# Altium PCB EA08AI-V2.PcbDoc
Units mm, origin at the board's own origin, x right, y up, seen from the top; angles counter-clockwise.
Board outline 103.2 x 107 mm, 2 copper layers (Top Layer, Bottom Layer), stack 1.571 mm thick; 138 components, 101 nets, 492 pads, 296 vias.
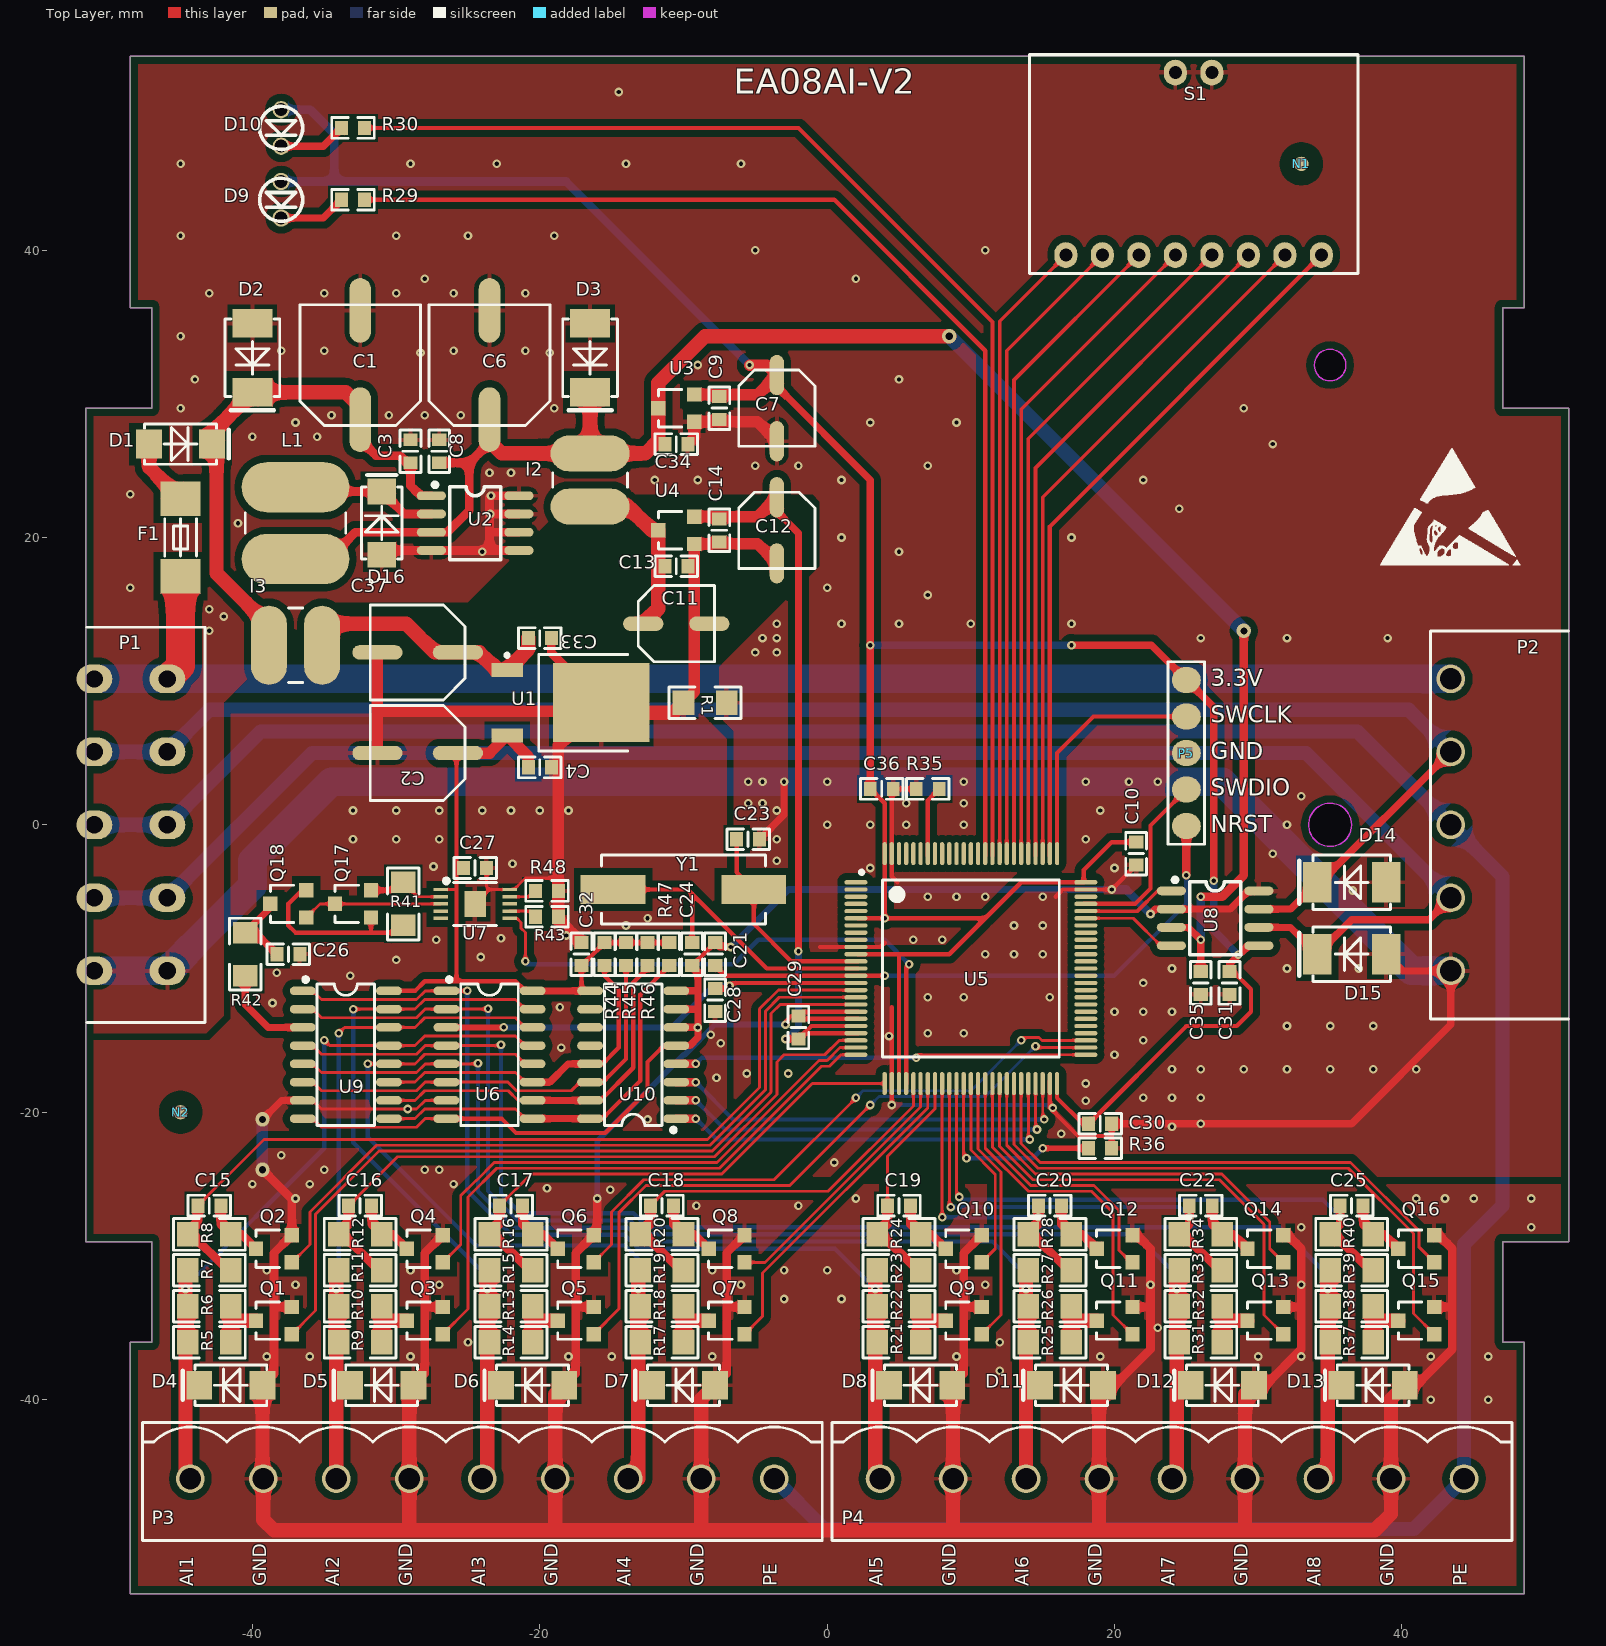
[diagram p0: Top Layer view]
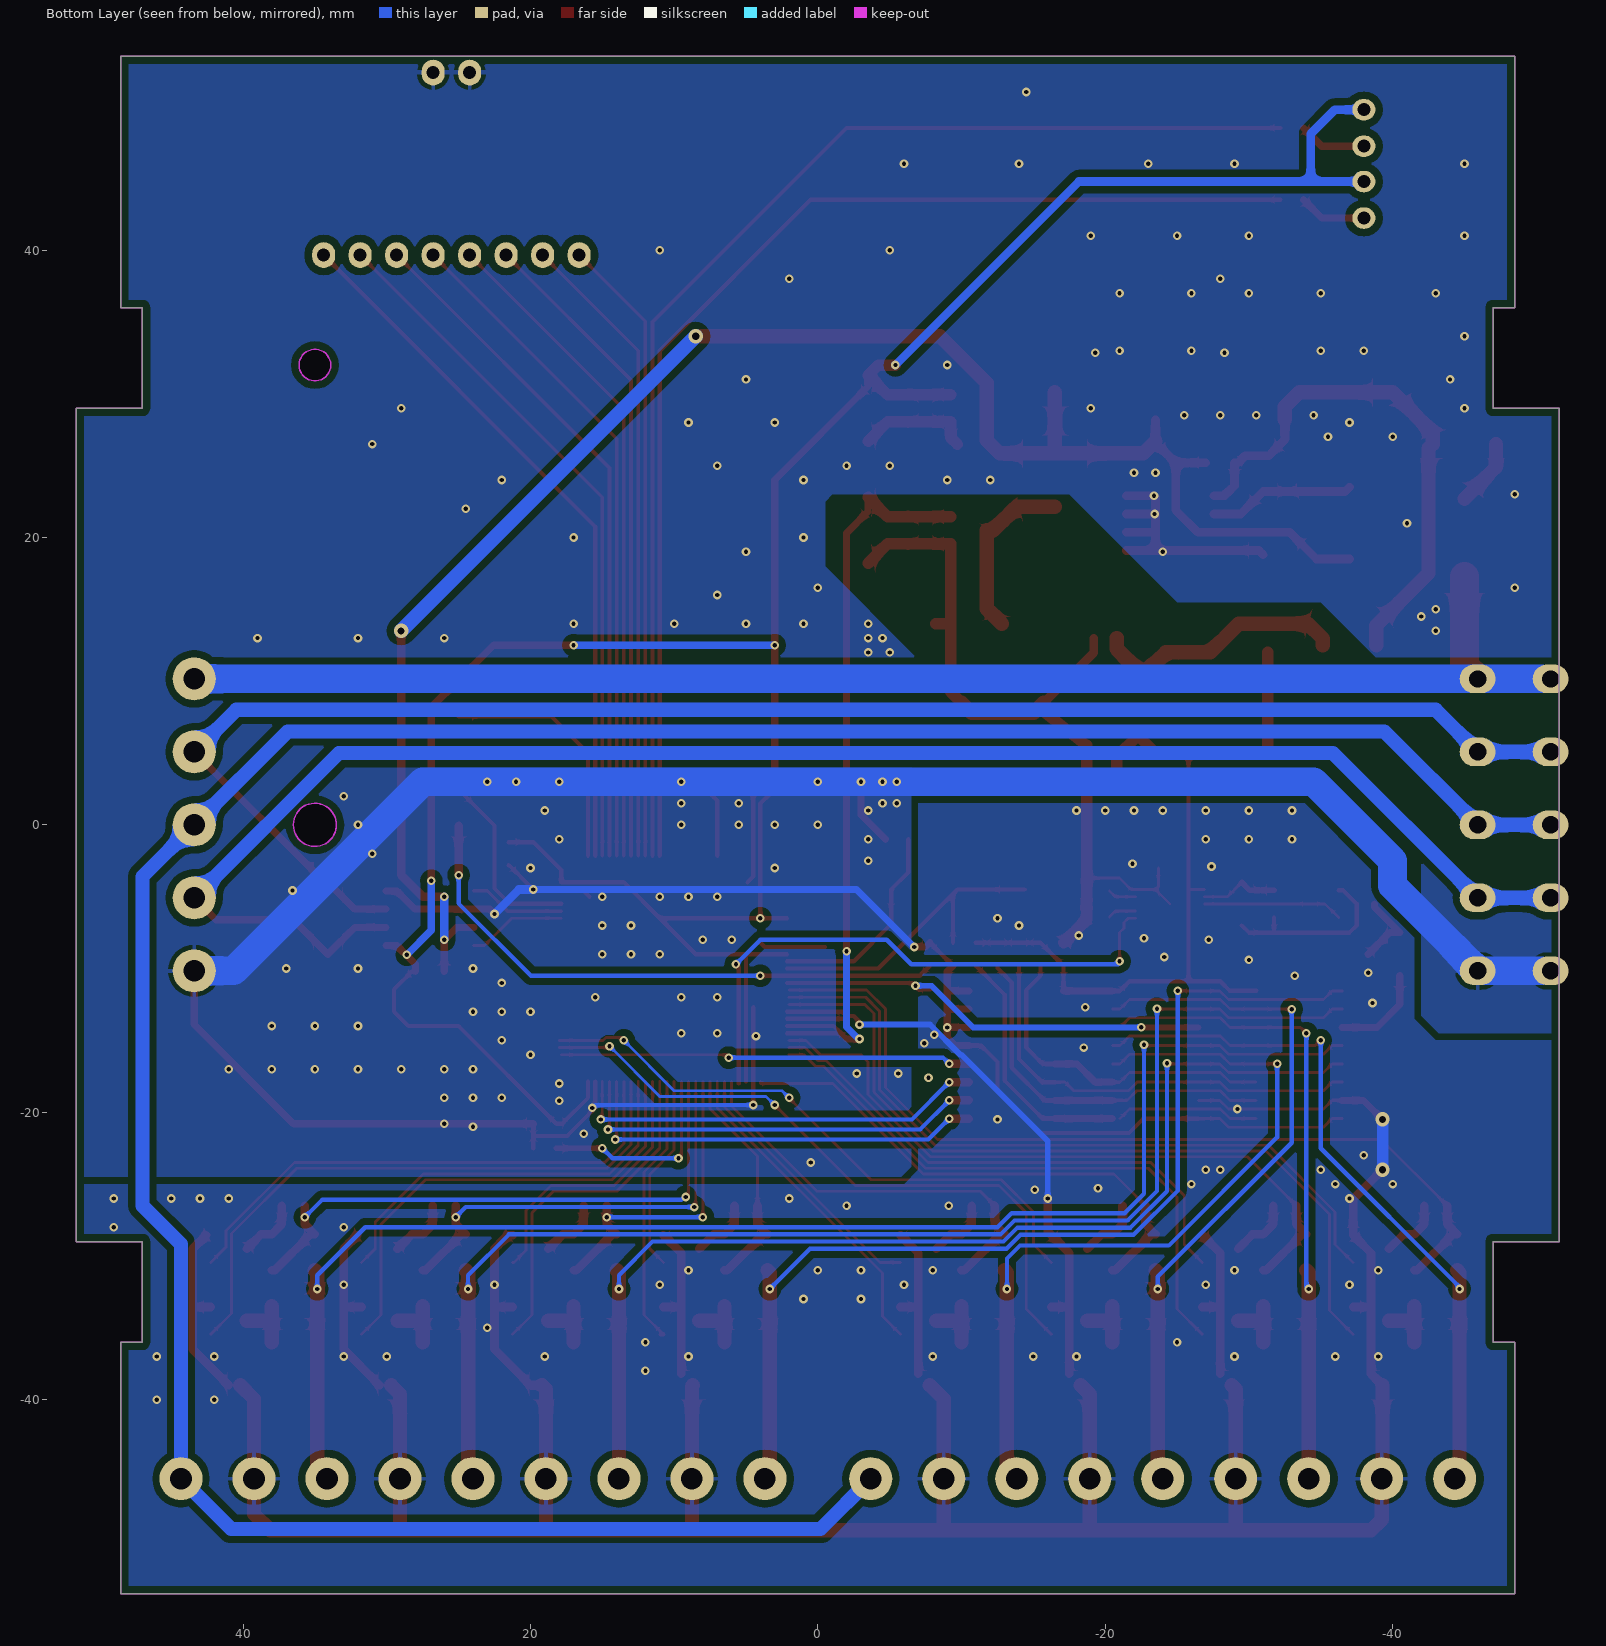
[diagram p1: Bottom Layer view, seen from below]
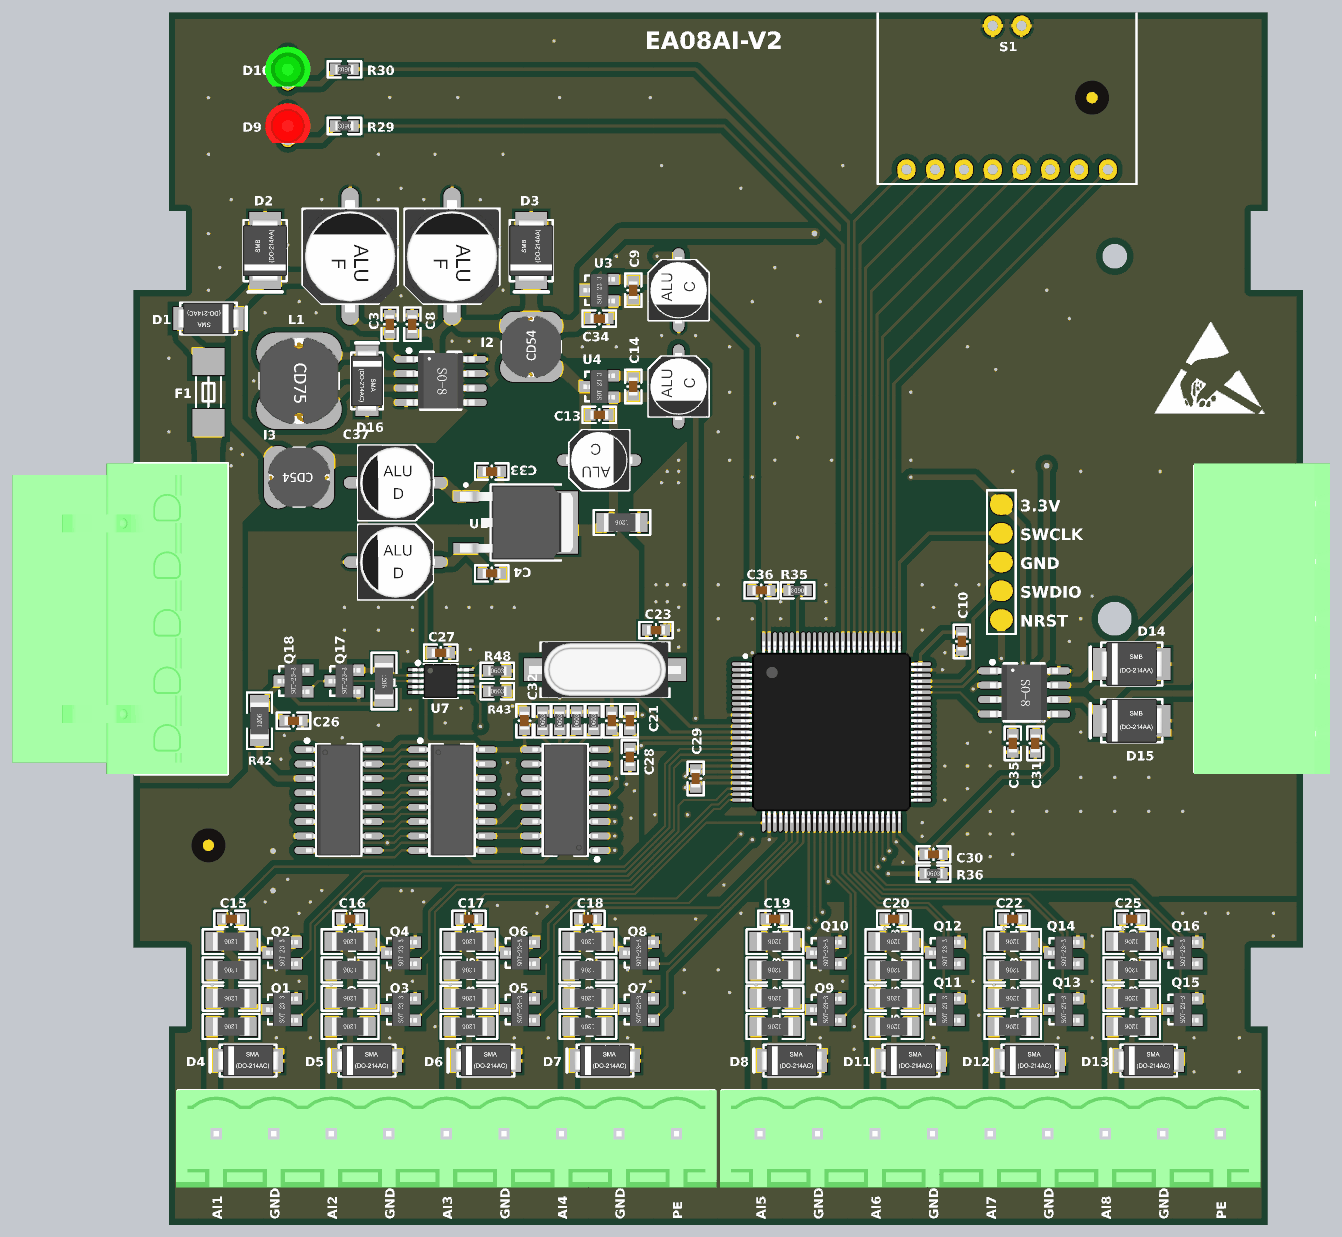
[diagram p2: 3D render of the assembled board from above, using the file's embedded part models]

## Layer stack, top to bottom
Top Solder: solder mask 0.0102, Solder Resist, Dk 3.5
Top Layer: signal copper 0.0356
Dielectric1: dielectric 1.5, FR-4, Dk 4.8
Bottom Layer: signal copper 0.0356
Bottom Solder: solder mask 0.0102, Solder Resist, Dk 3.5

## Board outline
-48.5,-53.5 -48.5,-36 -47,-36 -47,-29 -51.6,-29 -51.6,29 -47,29 -47,36 -48.5,36 -48.5,53.5 48.5,53.5 48.5,36 47,36 47,29 51.6,29 51.6,-29 47,-29 47,-36 48.5,-36 48.5,-53.5
cut-out: 36.1,32 ccw(c35,32) 35,33.1 ccw(c35,32) 33.9,32 ccw(c35,32) 35,30.9 ccw(c35,32)
cut-out: 36.5,0 ccw(c35,0) 35,1.5 ccw(c35,0) 33.5,0 ccw(c35,0) 35,-1.5 ccw(c35,0)

## Design rules (kind name [scope] priority, off if disabled: settings)
Clearance Clearance-PE [InNet('PE')] p1: gap=0.5
Clearance Clearance敷铜间隔 [InPolygon] p2: gap=0.5
Clearance Clearance通用间隔 [All] p3: gap=0.2
PlaneConnect [All] p1: planeconnectstyle=Relief reliefexpansion=0.508 reliefentries=4 reliefconductorwidth=0.3 reliefairgap=0.3
PolygonConnect PolygonConnect_过孔 [All vs IsVia] p1: connectstyle=Direct reliefconductorwidth=0.254 reliefentries=4 polygonreliefangle="90 Angle" airgapwidth=0.254
PolygonConnect [All] p2: connectstyle=Relief reliefconductorwidth=0.3 reliefentries=4 polygonreliefangle="90 Angle" airgapwidth=0.3
RoutingVias [All] p1: holewidth=0.5 width=1 viastyle="Through Hole" minholewidth=0.4 minwidth=0.8 maxholewidth=10 maxwidth=10
SolderMaskExpansion [All] p1: expansion=0.102
Width [All] p1: maxlimit=10 minlimit=0.2 preferedwidth=0.5
29 further rules are at their usual default settings.

## Components (designator, comment, footprint, x,y, rotation, side; value= is the part's Value field where it differs from the comment)
C1 "100UF/50V" 贴片固态电容8*10-M -32.5,32 r90 top
C2 "100UF/25V" 贴片固态电容6.3*5.3-M -28.5,5 r180 top
C3 "104" C-0603 -29,26 r270 top
C4 "104" C-0603 -20,4 r180 top
C6 "470UF/16V" 贴片固态电容8*10-M -23.5,32 r90 top
C7 "100UF/10V" 贴片固态电容5*5.3 -3.5,29 r270 top
C8 "104" C-0603 -27,26 r270 top
C9 "104" C-0603 -7.5,29 r90 top
C10 "104" C-0603 21.5,-2 r90 top
C11 "100UF/10V" 贴片固态电容5*5.3 -10.5,14 r0 top
C12 "100UF/10V" 贴片固态电容5*5.3 -3.5,20.5 r270 top
C13 "104" C-0603 -10.5,18 r180 top
C14 "104" C-0603 -7.5,20.5 r90 top
C15 "103" C-0603 -43,-26.5 r180 top
C16 "103" C-0603 -32.5,-26.5 r180 top
C17 "103" C-0603 -22,-26.5 r180 top
C18 "103" C-0603 -11.5,-26.5 r180 top
C19 "103" C-0603 5,-26.5 r180 top
C20 "103" C-0603 15.5,-26.5 r180 top
C21 "104" C-0603 -7.8,-9 r270 top
C22 "103" C-0603 26,-26.5 r180 top
C23 "20P" C-0603 -5.5,-1 r180 top
C24 "20P" C-0603 -9.4,-9 r90 top
C25 "103" C-0603 36.5,-26.5 r180 top
C26 "103" C-0603 -37.5,-9 r0 top
C27 "104" C-0603 -24.5,-3 r180 top
C28 "102" C-0603 -7.8,-12.2 r90 top
C29 "104" C-0603 -2,-14.1 r270 top
C30 "104" C-0603 19,-20.8 r180 top
C31 "104" C-0603 28,-11 r90 top
C32 "104" C-0603 -17.1,-9 r270 top
C33 "104" C-0603 -20,13 r180 top
C34 "104" C-0603 -10.5,26.5 r180 top
C35 "104" C-0603 26,-11 r90 top
C36 "104" C-0603 3.8,2.5 r180 top
C37 "47UF/35V" 贴片固态电容6.3*5.3-M -28.5,12 r180 top
D1 "M7" SMA -45,26.5 r180 top
D2 "SMBJ30A" SMB -40,32.5 r90 top
D3 "SMBJ5.0A" SMB -16.5,32.5 r90 top
D4 "SMAJ10A" SMA -41.5,-39 r0 top
D5 "SMAJ10A" SMA -31,-39 r0 top
D6 "SMAJ10A" SMA -20.5,-39 r0 top
D7 "SMAJ10A" SMA -10,-39 r0 top
D8 "SMAJ10A" SMA 6.5,-39 r0 top
D9 "" "LED Φ3红2.54mm" -38,43.5 r0 top
D10 "" "LED Φ3绿2.54mm" -38,48.5 r0 top
D11 "SMAJ10A" SMA 17,-39 r0 top
D12 "SMAJ10A" SMA 27.5,-39 r0 top
D13 "SMAJ10A" SMA 38,-39 r0 top
D14 "SMBJ5.0A" SMB 36.5,-4 r0 top
D15 "SMBJ5.0A" SMB 36.5,-9 r0 top
D16 "SS16" SMA -31,21 r270 top
F1 "F0.5A" FUSE-1808 -45,20 r90 top
I2 "10UH" CD54 -16.5,24 r90 top
I3 "10UH" CD54 -37,12.5 r180 top
L1 "68UH" CD75 -37,21 r270 top
N1 "光学定位点" MARK-1mm-3mm 33,46 r0 top
N2 "光学定位点" MARK-1mm-3mm -45,-20 r0 top
P1 "" 弯针5.08-M-5P -54.2,0 r270 top
P2 "" KF2EDGVC-5.08-5P弯针 43.4,0 r90 top
P3 "输出接口" KF2EDGVC-5.08-9P -24,-45.5 r0 top
P4 "输出接口" KF2EDGVC-5.08-9P 24,-45.5 r0 top
P5 "ST-LINK" 5P下载口 25,5 r270 top
Q1 "AO3400" SOT-23 -38.5,-34.5 r0 top
Q2 "AO3400" SOT-23 -38.5,-29.5 r0 top
Q3 "AO3400" SOT-23 -28,-34.5 r0 top
Q4 "AO3400" SOT-23 -28,-29.5 r0 top
Q5 "AO3400" SOT-23 -17.5,-34.5 r0 top
Q6 "AO3400" SOT-23 -17.5,-29.5 r0 top
Q7 "AO3400" SOT-23 -7,-34.5 r0 top
Q8 "AO3400" SOT-23 -7,-29.5 r0 top
Q9 "AO3400" SOT-23 9.5,-34.5 r0 top
Q10 "AO3400" SOT-23 9.5,-29.5 r0 top
Q11 "AO3400" SOT-23 20,-34.5 r0 top
Q12 "AO3400" SOT-23 20,-29.5 r0 top
Q13 "AO3400" SOT-23 30.5,-34.5 r0 top
Q14 "AO3400" SOT-23 30.5,-29.5 r0 top
Q15 "AO3400" SOT-23 41,-34.5 r0 top
Q16 "AO3400" SOT-23 41,-29.5 r0 top
Q17 "S8550" SOT-23 -33,-5.5 r0 top
Q18 "AO3401" SOT-23 -37.5,-5.5 r0 top
R1 "0" R-1206 -8.5,8.5 r180 top
R5 "1K" R-1206 -43,-36 r180 top
R6 "1K" R-1206 -43,-33.5 r180 top
R7 "100K" R-1206 -43,-31 r180 top
R8 "47K" R-1206 -43,-28.5 r180 top
R9 "1K" R-1206 -32.5,-36 r180 top
R10 "1K" R-1206 -32.5,-33.5 r180 top
R11 "100K" R-1206 -32.5,-31 r180 top
R12 "47K" R-1206 -32.5,-28.5 r180 top
R13 "1K" R-1206 -22,-33.5 r180 top
R14 "1K" R-1206 -22,-36 r180 top
R15 "100K" R-1206 -22,-31 r180 top
R16 "47K" R-1206 -22,-28.5 r180 top
R17 "1K" R-1206 -11.5,-36 r180 top
R18 "1K" R-1206 -11.5,-33.5 r180 top
R19 "100K" R-1206 -11.5,-31 r180 top
R20 "47K" R-1206 -11.5,-28.5 r180 top
R21 "1K" R-1206 5,-36 r180 top
R22 "1K" R-1206 5,-33.5 r180 top
R23 "100K" R-1206 5,-31 r180 top
R24 "47K" R-1206 5,-28.5 r180 top
R25 "1K" R-1206 15.5,-36 r180 top
R26 "1K" R-1206 15.5,-33.5 r180 top
R27 "100K" R-1206 15.5,-31 r180 top
R28 "47K" R-1206 15.5,-28.5 r180 top
R29 "330" R-0603 -33,43.5 r180 top
R30 "330" R-0603 -33,48.5 r180 top
R31 "1K" R-1206 26,-36 r180 top
R32 "1K" R-1206 26,-33.5 r180 top
R33 "100K" R-1206 26,-31 r180 top
R34 "47K" R-1206 26,-28.5 r180 top
R35 "10K" R-0603 7,2.5 r180 top
R36 "10K" R-0603 19,-22.5 r0 top
R37 "1K" R-1206 36.5,-36 r180 top
R38 "1K" R-1206 36.5,-33.5 r180 top
R39 "100K" R-1206 36.5,-31 r180 top
R40 "47K" R-1206 36.5,-28.5 r180 top
R41 "15" R-1206 -29.5,-5.5 r270 top
R42 "15" R-1206 -40.5,-9 r90 top
R43 "3K" R-0603 -19.5,-6.4 r0 top
R44 "10K" R-0603 -15.5,-9 r90 top
R45 "10K" R-0603 -14,-9 r90 top
R46 "10K" R-0603 -12.5,-9 r90 top
R47 "10K" R-0603 -11,-9 r90 top
R48 "1K" R-0603 -19.5,-4.6 r0 top
S1 "SW-DIP8" SW-蓝色拨码开关8P-加高 25.5,46 r0 top locked
U1 "78M12" TO-252 -19,8.5 r270 top
U2 "XL1509-5.0" SOP-8-m -24.5,21 r270 top
U3 "ME6206A33M3G" SOT-23 -10.5,29 r0 top
U4 "ME6206A33M3G" SOT-23 -10.5,20.5 r0 top
U5 "GD32F103VBT6" LQFP100-N 10,-10 r0 top locked
U6 "MC14051BDR2G" SOP-16-M -23.5,-16 r270 top
U7 "XTR111AIDGQR" MSOP-10(11)-M -24.5,-5.5 r270 top
U8 "TJA1051T/3" SOP-8-m 27,-6.5 r270 top
U9 "MC14051BDR2G" SOP-16-M -33.5,-16 r270 top
U10 "ULN2003A" SOP-16-M -13.5,-16 r90 top
Y1 "8M" HC-49SMD -10,-4.5 r0 top

## Footprints (in the part's own frame and the unit in brackets; to place one, negate y for a bottom-side part, rotate by r counter-clockwise, add the part's x,y. Pads: shape width x height; smd on the part's side, far side on the other; paste and mask are expansions set on the pad)
5P下载口 [mm]
  oval 1.8x2 smd paste-1: 1(-5.08,0) 2(-2.54,0) 3(0,0) 4(2.54,0) 5(5.08,0)
  silkscreen extent -6.35,-1.27 6.35,1.27
C-0603 [mm]
  rect 0.9x1 smd: 1(-0.8,0) 2(0.8,0)
  silkscreen extent -1.48,-0.72 1.48,0.72, body extent -0.8,-0.4 0.8,0.4, height 0.6
CD54 [mm]
  oval 2.5x5.5 smd: 1(-1.85,0) 2(1.85,0)
  silkscreen extent -0.5,-2.6 0.5,2.6, body extent -2.75,-2.6 2.75,2.6, height 4.6
CD75 [mm]
  oval 3.5x7.5 smd: 1(-2.5,0) 2(2.5,0)
  silkscreen extent -0.7,-3.5 0.7,3.5, body extent -3.83,-3.5 3.83,3.5, height 5.06
FUSE-1808 [mm]
  rect 2.4x2.8 smd: 1(-2.7,0) 2(2.7,0)
  silkscreen extent -1.3,-1.1 1.3,1.1, body extent -3,-1.3 3,1.3, height 2.6
HC-49SMD [mm]
  rect 4.5x2 smd: 1(-4.9,0) 2(4.9,0)
  silkscreen extent -5.7,-2.4 5.7,2.4, body extent -6.7,-2.46 6.7,2.44, height 4
KF2EDGVC-5.08-5P弯针 [mm]
  round 2 / inner round 3 / far side round 3 hole 1.5: 1(-10.16,0) 2(-5.08,0) 3(0,0) 4(5.08,0) 5(10.16,0)
  silkscreen extent -13.5,-8.2 13.5,1.4, body extent -13.7,-10.6 13.7,1.4, height 8.6
KF2EDGVC-5.08-9P [mm]
  round 2 / inner round 3 / far side round 3 hole 1.5: 1(-20.32,0) 2(-15.24,0) 3(-10.16,0) 4(-5.08,0) 5(0,0) 6(5.08,0) 7(10.16,0) 8(15.24,0) 9(20.32,0)
  silkscreen extent -23.66,-4.3 23.66,3.9, body extent -23.86,-4.7 23.86,3.9, height 12
"LED Φ3红2.54mm" [mm]
  round 1.2 / inner oval 1.6x1.5 / far side oval 1.6x1.5 hole 0.9: 1(0,1.27) 2(0,-1.27)
  silkscreen extent -1.5,-1.5 1.5,1.5, body extent -2,-1.52 2,2, height 5.3
"LED Φ3绿2.54mm" [mm]
  round 1.2 / inner oval 1.6x1.5 / far side oval 1.6x1.5 hole 0.9: 1(0,1.27) 2(0,-1.27)
  silkscreen extent -1.5,-1.5 1.5,1.5, body extent -2,-1.52 2,2, height 5.3
LQFP100-N [mm]
  oval 1.6x0.3 smd: 1(-8,6) 2(-8,5.5) 3(-8,5) 4(-8,4.5) 5(-8,4) 6(-8,3.5) 7(-8,3) 8(-8,2.5) 9(-8,2) 10(-8,1.5) 11(-8,1) 12(-8,0.5) 13(-8,0) 14(-8,-0.5) 15(-8,-1) 16(-8,-1.5) 17(-8,-2) 18(-8,-2.5) 19(-8,-3) 20(-8,-3.5) 21(-8,-4) 22(-8,-4.5) 23(-8,-5) 24(-8,-5.5) 25(-8,-6) 51(8,-6) 52(8,-5.5) 53(8,-5) 54(8,-4.5) 55(8,-4) 56(8,-3.5) 57(8,-3) 58(8,-2.5) 59(8,-2) 60(8,-1.5) 61(8,-1) 62(8,-0.5) 63(8,0) 64(8,0.5) 65(8,1) 66(8,1.5) 67(8,2) 68(8,2.5) 69(8,3) 70(8,3.5) 71(8,4) 72(8,4.5) 73(8,5) 74(8,5.5) 75(8,6)
  oval 0.3x1.6 smd: 26(-6,-8) 27(-5.5,-8) 28(-5,-8) 29(-4.5,-8) 30(-4,-8) 31(-3.5,-8) 32(-3,-8) 33(-2.5,-8) 34(-2,-8) 35(-1.5,-8) 36(-1,-8) 37(-0.5,-8) 38(0,-8) 39(0.5,-8) 40(1,-8) 41(1.5,-8) 42(2,-8) 43(2.5,-8) 44(3,-8) 45(3.5,-8) 46(4,-8) 47(4.5,-8) 48(5,-8) 49(5.5,-8) 50(6,-8) 76(6,8) 77(5.5,8) 78(5,8) 79(4.5,8) 80(4,8) 81(3.5,8) 82(3,8) 83(2.5,8) 84(2,8) 85(1.5,8) 86(1,8) 87(0.5,8) 88(0,8) 89(-0.5,8) 90(-1,8) 91(-1.5,8) 92(-2,8) 93(-2.5,8) 94(-3,8) 95(-3.5,8) 96(-4,8) 97(-4.5,8) 98(-5,8) 99(-5.5,8) 100(-6,8)
  silkscreen extent -7.72,-6.15 6.15,6.82, body extent -8,-8 8,8, height 1.6
MARK-1mm-3mm [mm]
  round 1 smd paste-0.6 mask+1: 1(0,0)
  Top Layer pour cut-out: -1.5,0 -1.386,-0.574 -1.061,-1.061 -0.574,-1.386 0,-1.5 0,-1.5 0.574,-1.386 1.061,-1.061 1.386,-0.574 1.5,0 1.5,0 1.386,0.574 1.061,1.061 0.574,1.386 0,1.5 0,1.5 -0.574,1.386 -1.061,1.061 -1.386,0.574 -1.5,0
MSOP-10(11)-M [mm]
  rect 0.24x1 smd: 1(-1,-2.4) 2(-0.5,-2.4) 3(0,-2.4) 4(0.5,-2.4) 5(1,-2.4) 6(1,2.4) 7(0.5,2.4) 8(0,2.4) 9(-0.5,2.4) 10(-1,2.4)
  rect 1.8x1.5 smd: 11(0,0)
  silkscreen extent -1.9,-2.3 1.5,1.5, body extent -1.5,-2.51 1.5,2.51, height 1.05
R-0603 [mm]
  rect 0.9x1 smd: 1(-0.8,0) 2(0.8,0)
  silkscreen extent -1.48,-0.72 1.48,0.72, body extent -0.8,-0.4 0.8,0.4, height 0.45
R-1206 [mm]
  rect 1.5x1.7 smd: 1(-1.5,0) 2(1.5,0)
  silkscreen extent -2.5,-1.1 2.5,1.1, body extent -1.6,-0.8 1.6,0.8, height 0.6
SMA [mm]
  rect 1.8x2 smd: 1(2.2,0) 2(-2.2,0)
  silkscreen extent -3.35,-1.4 2.5,1.4, body extent -2.75,-1.4 2.75,1.4, height 2.6
SMB [mm]
  rect 2x2.8 smd: 1(2.4,0) 2(-2.4,0)
  silkscreen extent -3.65,-1.9 2.7,1.9, body extent -2.75,-1.95 2.75,1.95, height 2.45
SOP-8-m [mil]
  oval 24x80 smd: 1(-75,-120) 2(-25,-120) 3(25,-120) 4(75,-120) 5(75,120) 6(25,120) 7(-25,120) 8(-75,120)
  silkscreen extent -111,-116 100,70, body extent -96,-118 96,118, height 67
SOP-16-M [mm]
  oval 0.6x1.8 smd: 1(-4.445,-3) 2(-3.175,-3) 3(-1.905,-3) 4(-0.635,-3) 5(0.635,-3) 6(1.905,-3) 7(3.175,-3) 8(4.445,-3) 9(4.445,3) 10(3.175,3) 11(1.905,3) 12(0.635,3) 13(-0.635,3) 14(-1.905,3) 15(-3.175,3) 16(-4.445,3)
  silkscreen extent -5.38,-2.95 4.93,2, body extent -4.9,-2.9 4.9,2.9, height 1.75
SOT-23 [mm]
  rect 1x1 smd: 1(1.25,-0.95) 2(1.25,0.95) 3(-1.25,0)
  silkscreen extent -1.25,-1.3 0.38,1.3, body extent -1.4,-1.45 1.4,1.45, height 1.2
SW-蓝色拨码开关8P-加高 [mm]
  oval 1.6x1.8 hole 0.9: 1(-8.89,-6.35) 2(-6.35,-6.35) 3(-3.81,-6.35) 4(-1.27,-6.35) 5(1.27,-6.35) 6(3.81,-6.35) 7(6.35,-6.35) 8(8.89,-6.35) 12(1.27,6.35) 13(-1.27,6.35)
  silkscreen extent -11.43,-7.62 11.43,7.62, body extent -11.43,-7.62 11.43,7.62, height 13
TO-252 [mm]
  rect 0.95x2.2 smd: 1(-2.28,-3.275) 3(2.28,-3.275)
  rect 5.5x6.7 smd: 2(0,3.275)
  silkscreen extent -3.43,-3.4 3.35,5.13, body extent -3.27,-3.77 3.27,6.16, height 2.39
弯针5.08-M-5P [mm]
  oval 2x2.5 hole 1.2: 1(-10.16,8.28) 1(-10.16,3.2) 2(-5.08,8.28) 2(-5.08,3.2) 3(0,8.28) 3(0,3.2) 4(5.08,8.28) 4(5.08,3.2) 5(10.16,8.28) 5(10.16,3.2)
  silkscreen extent -13.75,2.7 13.75,10.9, body extent -13.7,-8.1 13.7,10.9, height 10.29
贴片固态电容5*5.3 [mm]
  oval 2.8x1 smd: 1(-2.3,0) 2(2.3,0)
  silkscreen extent -2.65,-2.65 2.65,2.65, body extent -2.95,-2.65 2.95,2.65, height 5.42
贴片固态电容6.3*5.3-M [mm]
  oval 3.5x1 smd: 1(-2.8,0) 2(2.8,0)
  silkscreen extent -3.3,-3.3 3.3,3.3, body extent -3.5,-3.3 3.5,3.3, height 5.41
贴片固态电容8*10-M [mm]
  oval 4.5x1.5 smd: 1(-3.8,0) 2(3.8,0)
  silkscreen extent -4.2,-4.2 4.2,4.2, body extent -4.95,-4.15 4.95,4.15, height 10.21

## Part data
C1 C2 C6 C7 C11 C12 C37: library part "Cap Pol1", "Polarized Capacitor (Radial)"
C3 C4 C8 C9 C10 C13 C14 C21 C27 C28 C29 C30 C31 C32 C33 C34 C35 C36: library part Cap, "Capacitor"
C15 C16 C17 C18 C19 C20 C22 C23 C24 C25 C26: library part Cap-0603, "0805"
D1: "SMA"
D2 D3 D4 D5 D6 D7 D8 D11 D12 D13 D14 D15: library part TVS-1, "SMB"
D9 D10: library part LED-0603-Blue
D16: library part SS14, "SMA"
F1: library part "Fuse 1", "Fuse"
I2 I3 L1: library part Inductance3
N1 N2: library part 无引脚
P1 P2 P5: library part "Header 5", "Header, 5-Pin"
P3 P4: library part "Header 9", "Header, 9-Pin"
Q1 Q2 Q3 Q4 Q5 Q6 Q7 Q8 Q9 Q10 Q11 Q12 Q13 Q14 Q15 Q16 Q18: "SOT-23"
Q17: "PNP SOT-23"
R1 R5 R6 R7 R8 R9 R10 R11 R12 R13 R14 R15 R16 R17 R18 R19 R20 R21 R22 R23 R24 R25 R26 R27 R28 R29 R30 R31 R32 R33 R34 R35 R36 R37 R38 R39 R40 R41 R42 R43 R44 R45 R46 R47 R48: library part Res2-0603, "0603"
U1: library part 78M05, "TO-252"
U2: library part XL1509-ADJ, "开关电源 SOP-8"
U3 U4: "LDO稳压 SOT-23"
U5: library part GD32F103V
U7: library part XTR111, "4-20ma输出"
Y1: library part 晶振

## Via types
v1: diameter 0.6, hole 0.3, Top Layer to Bottom Layer, tented both sides, 292 vias
v2: diameter 1, hole 0.5, Top Layer to Bottom Layer, tented both sides, 4 vias
